# KiCad board LTDM_RevC.kicad_pcb (continued)
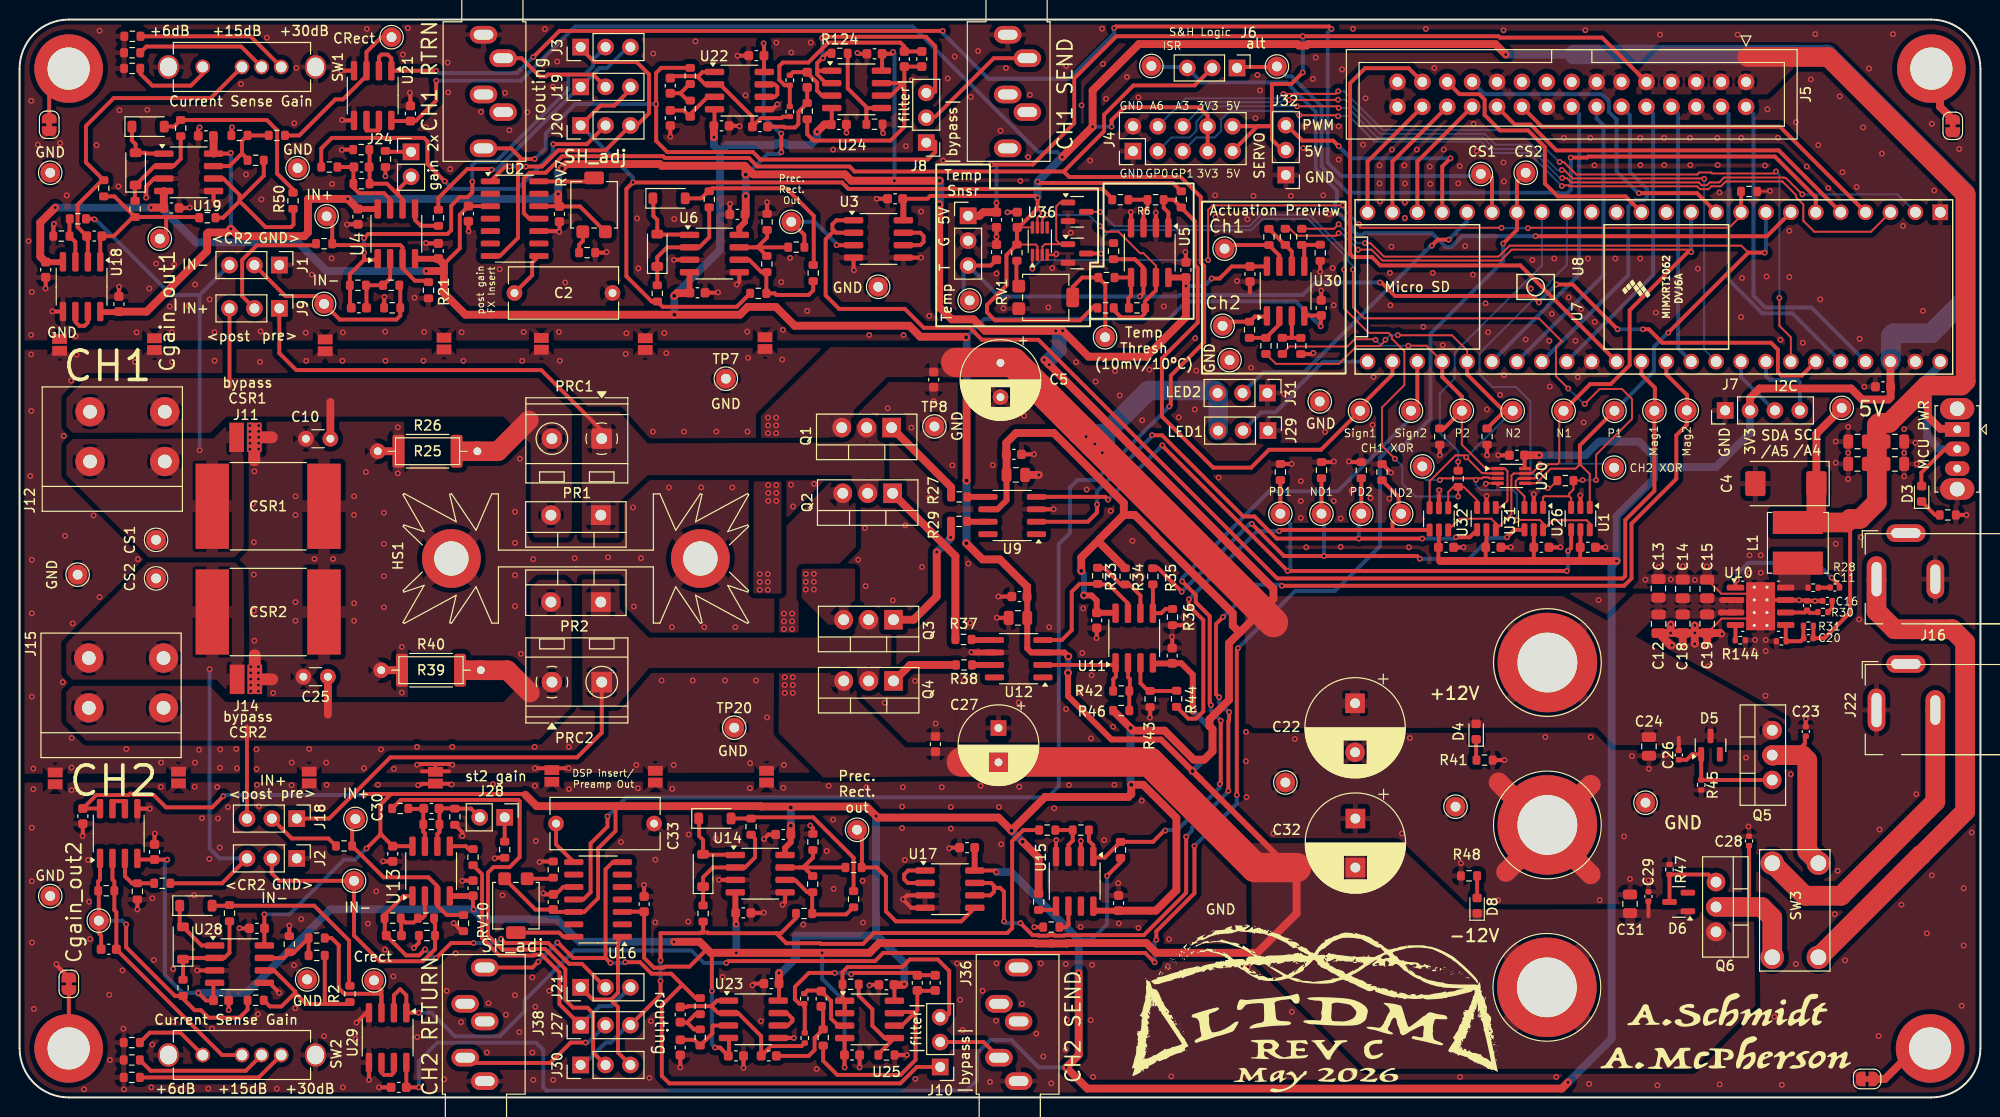
[diagram p0: board, top side]
## Routing (per net, layer and track width the routed paths; a pad name or vN(x,y) marks a point on that pad's centre or on a via; arc(x,y) is an arc through that point) (continued)
+5V: length 220.8
  Top w0.4: J5.9 161.41,108.16 150.99,108.16 150.85,108.3 v1(130.88,108.3) 111.87,108.3 107.57,104 107.57,99.42 103.35,95.21 v1(99.08,95.21) ; 127.73,99.27 127.73,103.44 129.72,103.44 v1(130.88,104.61) ; 127.73,99.27 127.58,99.12 127.23,99.12 ; 127.73,99.27 127.73,97.75 128.8,96.68 J32.2 ; R31.1 182.97,46.9 C20.1 184.09,46.87 186.71,49.49 186.71,59.04 ; J4.9 126.26,99.12 127.23,99.12 ; CU50.1 v1(99.64,91.3) ; 127.23,99.12 J4.10 ; 123.82,99.12 123.77,99.07
  Top w0.8: PWR_SW1.1 197.58,68.23 195.91,68.23 194.64,69.5 194.64,72.53 194.51,72.65 ; J23.1 97.91,89.98 98.28,90.34 CU50.1 ; C4.1 183.27,67.74 185.29,69.76 185.29,69.81 TP6.1
  Top w2: 176.22,106.18 184.48,106.18 198.5,92.16 198.5,73.08 198.07,72.65 194.51,72.65 190.7,68.84 189.66,68.84 189.43,68.61 189.43,60.74 187.73,59.04 186.71,59.04 186.35,58.67 L1.2 183.27,58.67 C4.1
  Bottom w0.4: v1(99.64,91.3) 99.64,95.06 99.49,95.21 v1(99.08,95.21) ; v1(130.88,104.61) v1(130.88,108.3)
+12V: length 672.2
  Top w0.4: U23.8 77.46,9.96 CU44.1 ; CU3.1 55.04,90.96 U2.12 ; CU3.1 57.16,90.93 RV7.1 ; CU3.1 54.94,91.05 ; U30.8 127.2,84.81 CU49.1 123.63,84.81 122.4,83.57 v1(121.59,83.57) ; 78.66,26.84 CU18.1 ; 37.89,30.96 35.22,30.96 v1(35.13,30.87) ; 37.89,30.96 36.8,29.88 36.8,26.9 ; 37.89,30.96 51.51,30.96 51.59,30.89 ; 36.8,26.9 CU19.1 40.07,25.64 U13.8 ; 36.8,26.9 36.8,26.83 v1(35.38,25.41) ; v1(24.97,18.68) 24.97,17.27 CU37.1 24.98,17.1 24.97,17.09 U28.8 ; U19.8 21.45,96.32 v1(21.54,96.4) ; 104.52,75.4 v1(104.52,75.28) ; v1(75.89,107.58) 75.92,107.55 CU32.1 75.92,104.69 U22.8 ; v1(77.7,98.37) v1(77.7,96.47) ; v1(20.78,30.74) 19.63,29.6 14.93,29.6 13.68,30.86 11.61,30.86 11.47,31 11.28,31 11.14,30.86 7.82,30.86 CU35.1 8.19,29.48 U27.8 ; CU39.1 89.23,11.45 U25.8 ; RV10.1 52.61,19.17 CU23.1 54.43,18.94 54.44,18.93 U16.12 57.61,18.93 59,20.33 59,25.41 60.78,27.19 60.78,29.6 60.91,29.73 ; C26.1 169.24,36.71 ; v1(89.1,106.69) 88.92,106.51 CU42.1 87.98,104.85 U24.8
  Top w0.6: U10.3 173.53,49.49 173.53,49.49 ; CU7.1 118.96,83.68 U5.8 ; U10.2 173.65,50.76 ; 55.06,90.93 CU3.1 ; U4.8 35.62,90.67 35.6,90.66 CU5.1 ; 10.15,80.15 8.29,80.15 U18.8 ; CU4.1 73.99,89.34 73.41,88.76 U6.8 ; v2(108.56,51.23) 109.34,51.23 109.86,50.71 CU15.1 111.75,49.46 U11.8 ; U9.6 99.74,60.02 100.67,60.95 CU12.1 ; U14.8 78.08,25.47 78.67,26.05 CU18.1 ; CU22.1 112.09,19.06 109.64,19.06 109.52,19.17 U15.8
  Top w0.8: U19.8 19.78,97.83 19.77,97.84 CU30.1 ; R34.1 110.17,56.6 110.17,56.99 112.49,59.31 ; 124.54,47.54 124.36,47.54 123.74,48.16 123.74,49.41 115.8,57.34 115.8,57.39 113.75,59.44 112.63,59.44 ; 124.54,47.54 127.89,50.89 127.89,51.92 v1(105.03,74.79) 105.01,74.79 v1(104.52,75.28) ; 124.54,47.54 123.35,46.35 123.35,40.57 121.37,38.59 121.37,37.88 121.67,37.58 121.67,35.31 120.83,34.47 119.75,34.47 116.79,37.43 113.59,37.43 v2(113.31,37.71) R46.1 ; CU28.1 12.95,80.2 19.12,86.37 19.12,88.15 19.25,88.27 21.16,88.27 v1(21.54,88.65) 22.3,87.89 29.03,87.89 29.41,88.27 29.41,91.7 v1(33.46,91.7) CU5.1 ; 112.63,59.44 112.63,60.67 105.49,67.81 101.64,67.81 100.64,66.81 CU11.1 100.67,65.61 CU12.1 ; 112.63,59.44 108.29,55.11 v2(108.29,53.73) ; 74.04,95.01 74.04,94.21 v2(74.06,94.18) ; 74.04,95.01 74.84,94.2 84.19,94.2 84.84,93.56 v1(89.23,93.56) v2(93.85,93.56) ; 74.04,95.01 73.97,95.08 65.48,95.08 65.3,95.26 60.68,95.26 60.68,95.26 55.76,95.26 v2(55.33,94.82) ; 78.66,26.84 v2(78.66,27.73) ; R66.2 103.94,24.45 v2(102.31,26.09) ; v1(54.94,92.21) 54.94,91.05 ; CU39.1 90.17,11.49 v1(90.24,11.57) ; CU7.1 v1(118.96,82.81) 118.96,79.63 114.93,75.6 109.03,75.6 v1(106.39,78.24) 98.47,78.24 97.31,79.41 95.07,79.41 93.8,80.68 v2(93.8,91.14) ; CU44.1 v1(77.46,12.71) ; 51.59,30.89 52.75,29.73 75.57,29.73 75.62,29.68 86.39,29.68 v1(87.36,28.71) 87.51,28.56 99.84,28.56 v2(101.18,27.22) 101.18,27.24 104.59,30.66 113.09,30.66 113.39,30.96 v2(113.39,31.91) 114.61,31.91 117.99,28.52 117.99,21.15 115.9,19.06 112.09,19.06 CU22.1 ; CU4.1 74.06,90.19 v2(74.06,91.98)
  Top w3: 127.89,48.46 v1(109.67,66.68) 101.34,75.01 95.49,75.01
  Bottom w0.4: v1(75.89,107.58) 75.89,100.06 77.59,98.37 v1(77.7,98.37) ; v1(35.13,30.87) 20.9,30.87 v1(20.78,30.74) ; v1(21.54,96.4) v1(21.54,88.65) ; v2(74.06,94.18) 74.18,94.18 76.27,96.27 77.51,96.27 v1(77.7,96.47) ; v1(118.96,82.81) 120.83,82.81 v1(121.59,83.57) ; v1(89.23,93.56) 89.23,106.56 v1(89.1,106.69) ; v1(35.38,25.41) 34.24,24.27 33.09,24.27 27.51,18.68 v1(24.97,18.68)
  Bottom w0.6: v2(108.56,51.23) 108.56,53.46 v2(108.29,53.73)
  Bottom w0.8: v2(74.06,94.18) v2(74.06,91.98) ; 87.45,16.52 90.24,13.72 v1(90.24,11.57) ; 87.45,16.52 87.36,16.61 v1(87.36,28.71) ; 87.45,16.52 79.2,16.52 79.2,14.23 77.67,12.71 v1(77.46,12.71) ; v2(93.85,93.56) 93.9,93.5 93.9,91.25 v2(93.8,91.14) ; v1(33.46,91.7) 54.43,91.7 v1(54.94,92.21) 54.94,94.44 v2(55.33,94.82) ; v2(113.39,31.91) 113.31,31.98 v2(113.31,37.71) ; v1(110.44,65.79) 111.33,66.68 111.33,68.33 ; v1(104.52,75.28) 105.69,76.45 v1(105.69,78.24) ; v1(105.03,74.79) 106.4,76.16 106.4,78.23 v1(106.39,78.24) ; v1(109.67,66.68) 111.33,68.33 ; 111.33,68.33 109.68,68.33 v1(108.79,67.45) ; v2(101.18,27.22) v2(102.31,26.09) ; v2(78.66,29.58) v2(78.66,27.73)
  Bottom w2: J29.3 122.25,71.84 J31.3 121.94,72.14 115.14,72.14 111.33,68.33
  vias: v1(75.49,53.41) v1(75.49,52.61) v1(75.49,51.81) v1(76.31,53.41) v1(76.31,52.61) v1(76.31,51.81) v1(76.34,69.38) v1(76.34,68.58) v1(76.34,67.78) v1(76.36,62.48) v1(76.36,61.68) v1(76.36,60.88) v1(77.16,69.38) v1(77.16,68.58) v1(77.16,67.78) v1(77.19,62.48) v1(77.19,61.68) v1(77.19,60.88) v1(80.19,53.43) v1(80.19,52.63) v1(80.19,51.83) v1(81.01,53.43) v1(81.01,52.63) v1(81.01,51.83)
-12V: length 542.5
  Top w0.4: v1(15.06,24.27) 13.77,24.27 CU36.2 12.13,24.28 U27.4 ; v1(46.3,19.19) 46.25,19.24 CU21.2 ; CU33.2 70.88,99.22 U22.4 ; v1(70.61,10.86) 70.61,14.64 69.82,15.43 ; U30.4 131.08,79.8 CU53.2 132.71,79.75 v1(132.71,78.7) ; U25.4 84.15,6.05 84.15,4.45 84.14,4.44 CU40.2 84.14,3.07 v1(84.15,3.06) ; U28.4 19.77,11.58 CU38.2 19.02,9.89 v1(18.24,10.68) ; U24.4 82.84,99.35 CU43.2 ; v1(70.94,5.09) 71.44,5.09 CU45.2 72.35,4.3 72.35,6.02 U23.4 ; C29.2 166.14,18.5 ; 69.82,14.84 68.33,13.34 65.8,13.34 65.68,13.23 64.71,13.23 63.7,14.23 CU24.1 61.5,18.96 U16.3 ; U2.3 48,90.97 CU2.1 44.9,90.09 44.9,86.66 43.28,85.04 ; 73.04,17.66 73.1,17.66 v1(73.1,17.66)
  Top w0.6: CU29.2 2.66,85.35 2.78,85.24 4.38,85.24 U18.4 ; U13.4 43.89,20.55 46.12,20.55 46.15,20.58 CU21.2 ; v2(119.66,39.46) 119.66,43.13 118.49,44.31 CU16.2 117.51,44.31 117.49,44.28 115.66,44.28 U11.4 ; 120.51,32.43 129.49,23.46 130.25,23.46 ; 120.51,32.43 116.41,36.53 111.36,36.53 106.94,40.96 v2(106.94,43.33) ; 120.51,32.43 v2(119.64,33.31) ; U14.4 73,18.87 CU25.2 73.04,17.66 ; CU6.2 42.6,85.61 42.58,85.59 40.35,85.59 U4.4 ; U6.4 68.33,82.16 CU8.2 ; v2(106.96,45.01) 106.56,45.41 U12.3 103.19,45.41 102.78,45.82 CU14.2 102.78,51.09 CU13.2
  Top w0.8: 102.78,50.86 102.75,50.89 CU13.2 102.75,52.14 99.99,54.91 98.21,54.91 v2(96.56,56.56) ; CU29.2 2.11,85.81 2.11,89.29 v1(3.63,90.81) ; v1(13.41,90.81) 14.68,90.81 CU31.2 14.71,90.78 U19.4 ; 66.79,79.88 v2(66.79,79.88) 45.47,79.88 43.28,82.07 43.28,84.34 ; 66.79,79.88 73.47,79.88 74.27,80.68 77.14,80.68 79.06,78.76 90.74,78.76 91.87,77.63 96.49,77.63 v2(96.54,77.58) ; 66.79,79.88 66.71,79.88 ; 43.28,84.34 v1(41.48,84.34) ; 43.28,84.34 43.28,85.04 CU6.2 ; v2(96.59,62.96) 96.59,62.96 v2(96.59,72.75) ; v1(70.81,97.99) 70.82,97.99 CU33.2 ; v1(81.35,98.56) 82.09,99.3 CU43.2 ; CU8.2 68.33,82.08 67.04,82.08 v2(66.76,81.81) ; 130.25,23.46 130.25,18.77 126.24,14.76 115.93,14.76 114.93,15.76 106.89,15.76 106.84,15.71 105.27,15.71 105.23,15.75 105.19,15.71 103.62,15.71 103.57,15.76 87.69,15.76 86.69,14.76 v1(81.86,14.76) v1(73.1,14.76) 70.49,14.76 69.36,15.88 v1(66.75,15.88)
  Top w3: 96.06,34.23 115.25,34.23 126.03,23.46 130.25,23.46
  Bottom w0.4: v1(15.06,24.27) 14.81,24.01 14.81,12.51 16.63,10.68 v1(18.24,10.68) ; v1(132.71,78.7) 130.17,81.24 119,81.24 117.22,79.46 98.42,79.46 v2(96.54,77.58) ; v1(84.15,3.06) 84.15,9.79 81.86,12.07 v1(81.86,14.76) ; v1(70.61,10.86) 70.61,5.42 v1(70.94,5.09)
  Bottom w0.6: v2(106.96,45.01) 106.96,43.36 v2(106.94,43.33) ; v2(119.66,39.46) 121.69,37.43 121.69,35.36 v2(119.64,33.31)
  Bottom w0.8: v1(73.1,17.66) v1(73.1,14.76) ; v2(96.59,62.96) 96.59,56.58 v2(96.56,56.56) ; 71.45,96.53 71.45,86.49 v2(66.76,81.81) 66.79,81.78 v2(66.79,79.88) ; 71.45,96.53 70.81,97.16 v1(70.81,97.99) ; 71.45,96.53 72.11,97.19 77.08,97.19 77.3,97.42 78.09,97.42 78.32,97.19 80.67,97.19 81.35,97.87 v1(81.35,98.56) ; v2(96.59,72.75) 96.59,77.53 v2(96.54,77.58) ; v1(41.48,84.34) 31.32,84.34 28.4,87.26 17.98,87.26 14.43,90.81 v1(13.41,90.81) v1(3.63,90.81) ; v1(18.24,10.68) 23.19,10.68 31.7,19.19 v1(46.3,19.19) 47.32,18.17 54.81,18.17 57.1,15.88 v1(66.75,15.88)
  vias: v1(77.96,49.38) v1(77.96,48.58) v1(77.96,47.78) v1(78.04,42.88) v1(78.04,42.08) v1(78.04,41.28) v1(78.79,49.38) v1(78.79,48.58) v1(78.79,47.78) v1(78.86,42.88) v1(78.86,42.08) v1(78.86,41.28)
/VIN: length 17.8
  Top w0.4: D3.2 194,62.67 193.98,62.7 193.98,63.76 196.4,66.18 PWR_SW1.2
  Bottom w0.8: PWR_SW1.2 195.78,66.18 195.78,66.22 194.59,67.42 194.59,69.13 194.64,69.18 194.64,73.5 195.91,74.77 U8.48
/Vin+: length 34.3
  Top w0.4: C23.1 182.09,36.77 182.09,36.1 180.92,34.93 Q5.2
  Top w2: SW3.3 183.47,24.03 182.34,25.15 182.34,34.4 181.81,34.93 Q5.2 178.83,34.86
  Bottom w2: 178.83,34.86 Q5.2 181.81,34.93 182.34,34.4 182.34,25.03 SW3.3
/Vin-: length 30.1
  Top w0.4: Q6.2 176.4,19.44 C28.2
  Top w2: Q6.2 177.7,19.44 178.77,18.36 SW3.2
  Bottom w2: SW3.2 178.77,18.31 177.65,19.44 Q6.2
GND: length 264.7
  Top w0.2: U36.4 105.66,85.98 v1(105.74,86.06) ; 144.77,61.43 144.8,61.47 v1(144.8,61.97) ; R143.1 178.48,92.46 v1(178.53,92.52) ; U20.4 150.76,62.56 150.7,62.49 ; U20.4 150.76,62.56 150.86,62.47 ; U20.4 149.6,62.68 v1(149.55,62.63) ; C19.2 173.61,48.87 176.32,48.87 U10.9 176.3,51.41 173.57,51.41 C15.2
  Top w0.4: CU44.2 74.93,11.61 v1(74.75,11.44) ; v1(56,33.59) 54.47,33.59 JP12.2 54.11,33.59 v1(52.55,33.59) ; CU37.2 22.45,17.26 v1(22.43,17.28) ; U5.2 115.91,90.29 v1(115.89,90.31) ; 41.02,33.28 41.78,33.28 41.83,33.23 JP17.2 ; U32.2 144.77,61.43 ; CU19.2 37.11,24.09 v1(37.1,24.1) ; CU26.2 v1(157.17,56.14) ; v1(39.8,102.55) 39.86,102.49 CU34.2 ; v1(108.24,26.17) 108.25,26.16 U15.2 ; CU49.2 125.5,82.14 ; CU14.1 99.71,48.94 v1(99.68,48.97) ; CU15.2 109.86,46.89 v1(109.84,46.87) ; R77.1 v1(37.31,94.01) ; v1(44.07,31.94) 43.89,31.94 43.81,32.01 42.43,32.01 JP17.1 42.39,32.01 40.96,32.01 40.82,31.86 v1(40.64,31.86) ; R93.1 v1(12.01,19.19) ; v1(88.08,98.4) 88.02,98.46 R126.2 ; CU33.1 73.39,99.16 v1(73.43,99.12) ; R13.2 59.81,86.22 v1(59.87,86.27) ; CU20.2 94.9,25.49 v1(94.82,25.41) ; v1(45.16,26.68) 45.16,27.06 R76.1 ; R57.1 80.92,27.47 v1(80.64,27.75) ; 197.5,59.44 v1(198.58,59.44) ; JP17.2 43.05,33.23 43.1,33.28 43.81,33.28 ; JP17.2 42.41,34.02 ; v1(3.35,80.22) 3.37,80.2 U18.5 ; 117.59,47.07 v1(117.54,47.02) 117.56,47 117.56,45.86 ; JP20.2 3.76,13.5 v1(3.76,13.6) ; v1(48.46,24.39) 48.53,24.46 R64.1 ; U22.5 76.78,100.85 v1(77.29,101.35) ; v1(41.45,87.21) 41.49,87.16 CU6.1 ; v1(10.16,82.74) 10.13,82.71 CU28.2 ; U31.2 149.62,61.36 v1(149.63,61.37) ; U5.4 113.37,90.33 v1(113.34,90.36) ; 42.41,34.02 40.56,34.02 40.54,34.01 v1(40.54,33.95) ; 42.41,34.02 44.13,34.02 44.14,34.01 v1(44.14,33.95) ; v1(40.21,15.25) 40.72,15.77 R75.1 ; v1(63.67,21.68) 63.7,21.65 CU24.2 ; v1(21.33,8.93) 21.32,8.93 CU38.1 ; v1(100.76,90.33) 100.77,90.34 CU52.2 ; v1(131.96,75.99) 131.83,75.87 R128.1 ; v1(71.34,22.21) 71.35,22.2 U14.3 ; U21.5 32.94,99.71 v1(32.89,99.75) ; R131.1 v1(149.68,65.54) ; CU18.2 76.38,26.83 v1(75.92,26.37) ; v1(37.21,81.71) 37.18,81.67 R24.1 ; v1(86.69,11.44) 86.74,11.49 CU39.2 ; C39.1 v1(66.37,98.05) ; CU35.2 6.45,26.7 v1(6.42,26.68) ; U3.4 85.07,84.45 v1(85.11,84.41) ; CU41.2 v1(36.65,1.02) ; U15.4 105.71,26.25 v1(105.74,26.27) ; CU1.2 v1(87.43,91.71) ; U2.10 54.97,88.42 v1(55.04,88.35) 55.06,88.37 CU3.2 ; v1(33.4,89.09) 33.43,89.11 CU5.2 ; U29.4 35.38,8.64 v1(34.36,7.63) ; U23.5 v1(78.97,6.07) ; v1(13.28,29.47) 13.28,29.47 U27.5 ; CU25.1 75.88,18.83 v1(75.92,18.87) ; CU50.2 v1(99.64,87.84) CU51.2 ; CU36.1 13.76,26.91 v1(13.79,26.93) ; R60.1 32.89,96.73 v1(32.87,96.71) ; R133.1 134,64.84 v1(134.06,64.91) ; CU46.2 v1(150.82,65.54) ; U17.3 90.52,20.62 v1(90.11,20.22) 90.11,20.19 90.96,19.34 92.35,19.34 U17.4 ; R36.1 118.97,48.2 v1(118.99,48.17) ; v1(3.5,89.16) 3.44,89.1 R92.1 ; R130.1 v1(144.85,65.54) ; CU21.1 45.18,22.13 v1(45.16,22.11) ; v1(45.79,88.4) 45.78,88.42 CU2.2 ; CU11.2 v1(103.47,65.63) ; v1(72.46,91.19) 72.44,91.17 CU4.2 ; CU13.1 v1(99.83,51.12) ; R129.1 v1(132.66,84.27) ; CU53.1 v1(132.76,82.34) ; CU29.1 2.66,82.58 v1(2.64,82.56) ; R43.1 115.31,38.79 v1(115.29,38.77) ; v1(18.36,99) 18.22,98.86 CU30.2 ; U21.4 v1(32.81,104.78) ; U19.5 19.78,91.55 v1(20.14,91.19) ; R9.1 v1(76.24,91.36) ; v1(85.46,106.6) 85.55,106.51 CU42.2 ; U1.2 159.21,61.42 v1(159.19,61.43) ; v1(17.35,90.81) 17.31,90.77 CU31.1 ; U6.5 73.41,83.22 v1(73.14,82.96) ; CU7.2 118.96,86.23 v1(118.91,86.28) ; CU47.2 v1(152.09,56.14) ; v1(85.67,3.06) 85.69,3.07 CU40.1 ; U6.3 66.75,85.49 v1(66.74,85.48) ; R113.1 21.6,98.94 v1(21.66,99) ; CU45.1 v1(73.84,3.01) ; R62.2 53.1,24.07 v1(53.03,24.01) ; 97.11,45.41 v1(97.09,45.43) ; v1(105.47,60.03) 105.46,60.02 U9.3 ; U3.5 v1(91.94,85.71) ; v1(182.19,38.62) C23.2 ; C16.2 182.54,50.67 182.49,50.73 182.37,50.73 C17.2 182.26,50.73 180.18,50.73 U10.7 178.25,50.76 U10.9 ; R127.2 90.5,4.33 v1(90.5,4.33) ; CU48.2 v1(147.27,56.14) ; v1(84.34,98.46) 84.33,98.47 CU43.1 ; v1(73.23,106.31) 73.24,106.32 CU32.2 ; R134.1 135.65,64.84 v1(135.58,64.91) ; U26.2 v1(154.45,61.54) ; U16.10 55.43,21.47 54.68,20.72 CU23.2 53.53,20.72 v1(53.41,20.84) ; R73.1 45.1,16.96 v1(44.27,17.79) ; 150.25,34.43 v1(151.46,34.43) ; R114.1 v1(27.51,17.53) ; U28.5 25.47,11.69 v1(26.49,10.68) ; C40.1 v1(67.38,3.06) ; R74.2 v1(103.5,17.38) ; v1(71.24,82.16) 71.21,82.12 CU8.1 ; v1(77.82,19.67) 78.08,19.93 U14.5 ; R132.1 v1(129.74,64.65) ; U29.5 v1(35.63,1.79) ; 160.73,56.14 v1(161.75,56.14) ; U19.3 13.72,93.78 12.9,92.96 v1(12.9,91.83) ; U28.3 v1(18.11,12.96) ; R135.1 139,64.64 v1(139.88,63.76)
  Top w0.6: U12.6 97.11,45.41
  Top w0.8: 170.87,47.39 170.87,48.16 v1(170.87,48.17) ; 170.87,47.39 170.87,46.32 170.86,46.31 ; 170.87,47.39 170.87,47.39 170.73,47.39 ; R26.1 R25.1 ; v1(168.4,47.39) 168.39,47.38 C12.2 168.42,46.13 v1(168.53,46.13) ; v1(168.4,47.39) 168.4,48.24 v1(168.43,48.27) ; v1(168.4,47.39) C18.2 ; CU12.2 v1(103.97,63.53) ; C18.2 v1(169.64,46.3) ; C18.2 170.73,47.39 ; 170.73,47.39 C19.2 ; C19.2 v1(172.13,46.18) ; C19.2 173.46,47.39 173.53,47.33 ; R40.1 R39.1
  Top w1.2: 25.77,42.67 J14.1 23.99,45.13 ; 25.73,67.37 J11.1 23.94,65.05 23.95,65.03
  Top w2: 150.85,32.16 155.76,27.25 155.83,27.25 ; 160.25,31.9 155.83,27.48 155.83,27.25 ; 155.83,27.25 155.83,27.18 160.25,22.76 ; 155.83,27.25 155.83,27.23 151.62,23.01
  Bottom w2: 155.83,27.25 155.83,27.23 151.62,23.01 ; 155.83,27.25 155.83,27.18 160.22,22.79 160.22,22.76 ; 155.83,27.25 155.83,27.48 160.25,31.9 160.25,31.9 ; 155.83,27.25 155.76,27.25 150.85,32.16
  vias: v1(0.91,87.4) v1(1.09,63.41) v1(1.19,101.71) v1(1.18,77.83) v1(1.18,75.83) v1(1.19,70.06) v1(1.24,82.21) v1(1.24,54.87) v1(1.24,49.4) v1(1.24,40.9) v1(1.24,27.53) v1(1.24,22.06) v1(1.27,15.81) v1(1.4,33.56) v1(1.4,31.46) v1(1.45,9.04) v1(1.85,97.24) v1(4.14,97.39) v1(4.39,42.38) v1(4.49,67.52) v1(4.64,57.31) v1(4.8,92.06) v1(5.26,73.16) v1(5.31,36.69) v1(5.3,33.66) v1(5.3,31.36) v1(5.41,48.37) v1(5.71,77.68) v1(5.81,75.8) v1(6.58,0.82) v1(6.98,24.24) v1(7.08,19.97) v1(7.19,16.16) v1(7.54,59.39) v1(7.85,97.19) v1(8.15,108.87) v1(8.15,51.06) v1(9.15,10.48) v1(9.22,3.82) v1(9.47,86.17) v1(10.08,92.97) v1(10.18,100.74) v1(10.49,12.96) v1(10.59,7.02) v1(10.64,0.82) v1(10.89,35.57) v1(11.76,75.07) v1(11.93,78.08) v1(12.06,54.92) v1(13.03,100.8) v1(13.23,82.56) v1(13.43,1.02) v1(13.54,20.33) v1(13.54,5.39) v1(13.69,14.03) v1(13.92,85.1) v1(14.4,31.7) v1(14.43,34.17) v1(15.31,80.73) v1(15.53,78.1) v1(15.53,75.07) v1(15.67,13.11) v1(15.67,7.73) v1(15.77,85) v1(17.24,80.78) v1(17.8,20.63) v1(17.9,82.96) v1(17.88,34.17) v1(17.85,31.71) v1(18.31,35.48) v1(18.6,28.5) v1(19.25,0.9) v1(19.38,81.44) v1(19.35,24.34) v1(19.63,7.02) v1(19.89,78.09) v1(19.89,75.19) v1(20.15,31.67) v1(20.23,28.47) v1(20.24,16.92) v1(20.41,25.5) v1(20.46,35.51) v1(20.44,33.64) v1(21.25,29.62) v1(22.1,35.57) v1(22.17,33.59) v1(22.58,103.44) v1(23.09,94.19) v1(23.48,68.57) v1(23.5,67.97) v1(23.5,67.36) v1(23.5,66.76) v1(23.48,66.16) v1(23.57,43.95) v1(23.57,43.33) v1(23.57,42.7) v1(23.57,42.07) v1(23.57,41.45) v1(23.82,60.59) v1(23.89,56.66) v1(23.89,53.36) v1(23.89,49.67) v1(23.95,63.89) v1(23.95,46.62) v1(24.15,35.52) v1(24.17,33.52) v1(24.2,31.91) v1(24.31,8.49) v1(24.39,68.57) v1(24.39,67.97) v1(24.39,67.37) v1(24.39,66.77) v1(24.39,66.17) v1(24.36,43.95) v1(24.36,43.33) v1(24.36,42.7) v1(24.36,42.07) v1(24.36,41.45) v1(24.41,29.73) v1(24.58,78.18) v1(24.53,75.07) v1(24.66,91.65) v1(25.22,108.16) v1(25.86,41.28) v1(26.24,0.9) v1(27.75,34.17) v1(27.73,31.86) v1(28.01,99.42) v1(27.99,13.48) v1(28.14,61.35) v1(28.14,59.44) v1(28.14,50.55) v1(28.14,48.65) v1(28.12,9.1) v1(28.22,105.06) v1(28.73,18.19) v1(29.18,78.05) v1(29.23,75.18) v1(29.54,35.57) v1(29.79,83.98) v1(30.07,54.95) v1(30.86,29.52) v1(31.06,6.26) v1(31.27,34.17) v1(31.32,31.91) v1(31.87,93.23) v1(31.82,85.63) v1(31.98,54.95) v1(32.98,78.07) v1(32.93,75.18) v1(32.97,1.02) v1(34.11,61.35) v1(34.11,59.44) v1(34.11,50.43) v1(34.11,48.65) v1(34.26,6) v1(35.13,33.59) v1(35.33,63.81) v1(35.42,109.05) v1(35.53,17.74) v1(36.37,21.02) v1(36.55,31.91) v1(36.85,35.52) v1(37.16,59.67) v1(37.16,56.5) v1(37.16,53.19) v1(37.16,50.02) v1(37.29,78.16) v1(37.31,75.18) v1(37.26,15.09) v1(38.17,33.54) v1(38.12,12.35) v1(38.58,68.39) v1(38.58,63.69) v1(38.99,45.98) v1(38.99,41.31) v1(39.09,106.43) v1(39.6,109.13) v1(40.28,81.62) v1(40.54,35.77) v1(40.56,6.16) v1(41.19,75.18) v1(41.26,78.13) v1(41.43,99.02) v1(43.3,1.84) v1(43.56,10.88) v1(43.66,105.62) v1(43.71,102.57) v1(43.91,94.75) v1(44.14,35.77) v1(44.47,14.69) v1(45.09,78.08) v1(45.03,7.68) v1(45.26,75.18) v1(47.06,100.59) v1(47.67,4.58) v1(47.83,9.61) v1(48.28,31.96) v1(48.96,84.53) v1(49.25,20.63) v1(49.5,102.52) v1(49.6,8.44) v1(49.96,98.71) v1(50.53,59.77) v1(50.53,56.6) v1(50.53,53.3) v1(50.53,50.12) v1(50.52,10.42) v1(50.98,6.66) v1(51.03,65.18) v1(51.13,45.27) v1(51.26,75.18) v1(51.41,78.11) v1(51.79,100.54) v1(52.3,12.25) v1(52.3,4.58) v1(52.4,54.92) v1(52.4,1.79) v1(52.53,35.77) v1(52.55,31.81) v1(52.6,9.25) v1(52.65,26.17) v1(53.57,109.03) v1(54.02,10.88) v1(54.38,103.13) v1(54.43,1.79) v1(54.84,105.72) v1(55.01,78.13) v1(55.09,75.18) v1(55.65,83.17) v1(56.01,35.77) v1(56.04,31.46) v1(56.61,55.02) v1(60.02,55.13) v1(61.34,26.07) v1(61.81,75.88) v1(61.89,77.98) v1(62.56,60.21) v1(62.65,50.1) v1(62.99,89.71) v1(62.91,33.93) v1(63.07,31.56) v1(63.11,84.61) v1(63.37,55.02) v1(64.23,1.99) v1(64.39,7.78) v1(64.59,67.95) v1(64.64,106.54) v1(64.84,24.27) v1(64.84,17.86) v1(65.48,42.55) v1(65.76,78.01) v1(65.96,75.96) v1(66.22,62.25) v1(66.53,47.99) v1(66.57,31.5) v1(66.71,33.93) v1(66.76,89.66) v1(67.77,67.95) v1(68.2,17.94) v1(68.25,26.83) v1(68.65,42.55) v1(68.94,107.78) v1(69.53,62.25) v1(69.84,47.99) v1(70.99,26.42) v1(71.07,67.95) v1(71.7,12.3) v1(71.96,42.55) v1(72.7,62.25) v1(73.01,47.99) v1(74.04,102.27) v1(74.21,78.16) v1(74.31,75.48) v1(74.24,67.95) v1(74.5,31.56) v1(74.51,34.11) v1(75.13,42.55) v1(75.61,7.78) v1(76.24,38.78) v1(77.19,107.65) v1(77.69,83.21) v1(77.79,75.31) v1(77.86,78.33) v1(77.9,31.61) v1(77.96,33.93) v1(78.59,85.68) v1(78.71,106.64) v1(78.69,62.53) v1(78.89,60.31) v1(79.93,17.64) v1(80.34,80.27) v1(80.69,107.65) v1(81.04,62.63) v1(81.3,2.9) v1(82.32,25.15) v1(82.52,31.81) v1(82.98,96.73) v1(82.98,28.35) v1(83.03,21.29) v1(85.54,54.88) v1(85.98,22.11) v1(86.03,17.84) v1(86.21,58.11) v1(86.29,52.18) v1(86.38,31.66) v1(86.66,77.81) v1(88.24,40.28) v1(88.54,70.33) v1(89.06,50.73) v1(90.09,31.66) v1(90.01,29.67) v1(90.01,27.49) v1(90.16,77.81) v1(90.29,24.24) v1(90.4,97.09) v1(90.34,58.38) v1(91.01,103.84) v1(90.96,68.36) v1(91.34,42.51) v1(91.36,1.89) v1(91.95,90.41) v1(92.04,54.13) v1(92.78,79.76) v1(92.78,61.22) v1(93.24,71.06) v1(93.44,38.16) v1(94.05,31.66) v1(94.21,95.61) v1(94.66,104) v1(94.99,29.62) v1(94.99,27.44) v1(95.12,100.24) v1(95.14,64.51) v1(95.37,106.23) v1(95.63,13.67) v1(95.93,9.97) v1(96.19,6.87) v1(96.34,42.58) v1(96.76,54.48) v1(97,102.12) v1(96.96,48.41) v1(97.76,106.79) v1(98.02,31.81) v1(98.22,10.88) v1(98.98,1.58) v1(99.26,64.53) v1(99.59,7.83) v1(99.64,84.08) v1(99.64,13.67) v1(99.9,29.62) v1(100.05,98.66) v1(100.11,25.83) v1(100.35,80.53) v1(100.61,105.06) v1(101.9,40.31) v1(101.96,31.71) v1(102.08,93.53) v1(102.23,9.56) v1(102.46,69.56) v1(102.88,95.96) v1(103.05,102.32) v1(103.71,6.51) v1(104.16,13.67) v1(104.42,4.17) v1(104.93,80.63) v1(105.01,47.98) v1(105.23,1.43) v1(105.33,84.64) v1(105.54,29.51) v1(106.7,13.62) v1(106.7,4.89) v1(106.75,105.27) v1(106.74,39.63) v1(106.8,7.93) v1(107.04,31.88) v1(107.21,88.25) v1(107.77,75.04) v1(108.14,41.38) v1(108.23,17.38) v1(108.32,101.25) v1(108.39,45.36) v1(108.49,49.91) v1(108.84,62.04) v1(109.19,95.61) v1(109.29,36.63) v1(109.24,7.88) v1(109.34,43.08) v1(109.4,13.52) v1(109.5,2.09) v1(109.75,73.06) v1(110.41,109.08) v1(110.51,105.47) v1(110.64,26.26) v1(110.82,101.91) v1(111.29,59.86) v1(111.54,37.83) v1(111.66,31.91) v1(111.73,74.13) v1(112.06,21.86) v1(112.11,17.76) v1(112.22,71.64) v1(112.95,104.15) v1(113.51,56.8) v1(114.12,102.07) v1(114.13,17.29) v1(114.5,69.1) v1(114.46,30.28) v1(115.24,74.28) v1(116.71,80.73) v1(117.12,13.37) v1(117.24,16.13) v1(117.47,2.14) v1(117.72,75.21) v1(118.23,69.4) v1(119.91,77.48) v1(119.86,70.21) v1(120.01,74.18) v1(121.94,92.06) v1(121.98,89.87) v1(122.3,63.25) v1(124.18,83.32) v1(125.09,37.31) v1(125.09,34.31) v1(125.14,30.66) v1(125.24,89.62) v1(125.3,13.27) v1(125.3,2.14) v1(125.6,74.48) v1(125.85,92.01) v1(126.06,99.93) v1(126.26,104.35) v1(126.52,102.78) v1(127.89,26.93) v1(128.98,71.81) v1(129.66,92.01) v1(129.77,8.75) v1(130.07,36.58) v1(130.68,62.9) v1(130.68,60.87) v1(130.68,59.14) v1(130.93,96.9) v1(131.14,99.12) v1(131.24,56.14) v1(131.9,103.95) v1(132.2,106.13) v1(132.97,92.06) v1(133.17,67.93) v1(133.56,90.13) v1(133.93,84.64) v1(134.03,80.84) v1(134.03,60.87) v1(134.54,99.12) v1(134.54,95.72) v1(134.74,59.09) v1(134.74,56.19) v1(134.9,104.91) v1(135.86,61.93) v1(136,109.05) v1(136.07,2.5) v1(137.03,97.24) v1(137.28,101.96) v1(137.79,61.17) v1(138,68.64) v1(138.1,73.52) v1(138.71,95.12) v1(138.71,93.28) v1(138.76,91.45) v1(139.77,84.16) v1(139.72,61.12) v1(139.82,80.84) v1(139.98,96.73) v1(139.93,86.83) v1(140.99,26.93) v1(141.25,95.12) v1(141.3,93.28) v1(141.3,91.35) v1(141.3,89.76) v1(141.7,56.14) v1(141.81,36.69) v1(142.52,96.73) v1(143.18,78.65) v1(143.43,109.05) v1(143.84,95) v1(143.89,93.23) v1(144.14,84.16) v1(144.3,105.06) v1(145.16,76.77) v1(145.26,96.73) v1(146.73,93.28) v1(146.89,95.06) v1(147.01,23.91) v1(146.94,2.09) v1(147.44,86.88) v1(148.31,99.36) v1(148.24,83.97) v1(148.61,96.58) v1(149.53,81.05) v1(149.68,70.21) v1(149.78,78.09) v1(150.8,20.13) v1(151,71.69) v1(151.36,108.91) v1(151.36,95.41) v1(151.41,93.48) v1(151.41,73.72) v1(153.62,77.35) v1(154.15,82.55) v1(154.3,85.45) v1(155.62,36.79) v1(156.03,77.22) v1(156.08,72.55) v1(156.28,79.97) v1(156.54,85.62) v1(156.74,2.09) v1(157.5,97.93) v1(158.01,81.64) v1(158.7,77.22) v1(158.93,73.52) v1(159.28,80.48) v1(159.54,68.89) v1(159.7,108.91) v1(159.97,85.62) v1(160.09,1.38) v1(160.22,97.93) v1(160.25,36.79) v1(160.64,95.13) v1(160.65,79.15) v1(161.06,50.76) v1(161.16,20.13) v1(162.76,85.62) v1(163.65,26.63) v1(164.26,22.31) v1(164.46,34.82) v1(165.3,97.93) v1(165.3,85.62) v1(165.33,95.16) v1(165.83,52.84) v1(166.17,33.54) v1(166.14,22.16) v1(166.9,80.1) v1(167.05,1.23) v1(167.19,54.15) v1(167.31,108.47) v1(167.74,97.93) v1(167.76,95.16) v1(167.94,34.98) v1(168.42,52.86) v1(169.64,54.2) v1(170.38,97.93) v1(170.41,95.16) v1(170.88,52.81) v1(170.86,47.4) v1(170.86,46.29) v1(171.18,84.59) v1(172.09,54.18) v1(172.24,44) v1(173.18,97.93) v1(173.2,95.16) v1(173.38,92.36) v1(173.4,1.33) v1(173.66,47.3) v1(175.23,108.47) v1(175.61,97.93) v1(175.59,79.64) v1(175.69,83.63) v1(175.79,4.89) v1(176.1,34.68) v1(176.35,27.64) v1(176.45,55.33) v1(176.45,53.55) v1(176.96,45.55) v1(177.02,46.7) v1(177.59,55.33) v1(177.59,53.55) v1(178.03,95.11) v1(178.1,46.69) v1(178.1,45.55) v1(178.08,41) v1(178.18,83.78) v1(178.28,100.85) v1(178.99,8.24) v1(179.35,97.95) v1(179.6,77.33) v1(179.75,1.28) v1(180.52,88.45) v1(180.52,83.73) v1(180.67,32.98) v1(181.18,99.53) v1(181.18,13.62) v1(181.5,50.76) v1(181.89,77.02) v1(182.29,95) v1(182.7,103.89) v1(183.16,108.52) v1(183.13,50.67) v1(183.46,97.19) v1(183.67,81.44) v1(184.48,92.82) v1(185.14,18.7) v1(185.24,66.94) v1(185.24,64.78) v1(185.24,56.5) v1(185.44,23.12) v1(185.65,102.17) v1(185.93,94.42) v1(186.21,13.98) v1(186.51,68.44) v1(186.51,65.79) v1(186.51,63.1) v1(187.37,92.92) v1(187.68,77.43) v1(187.63,48.78) v1(187.83,57.16) v1(188.05,98.99) v1(188.16,72.53) v1(188.64,105.01) v1(189.61,6.26) v1(189.71,27.34) v1(189.95,96.33) v1(191.08,108.52) v1(191.95,19.67) v1(192.12,88.95) v1(192.23,68.21) v1(192.23,65.79) v1(192.23,63.38) v1(193.37,66.81) v1(193.5,64.65) v1(193.47,30.95) v1(194.13,80.27) v1(194.54,16.74) v1(195.04,99.37) v1(195.04,22.67) v1(195.3,92.57) v1(197.84,96.78) v1(198.09,9.36) v1(198.3,21.34) v1(198.3,15.5) v1(199.11,27.03)